# Altium PCB MAIN_BOARD.PcbDoc (part 3 of 4) (continued)
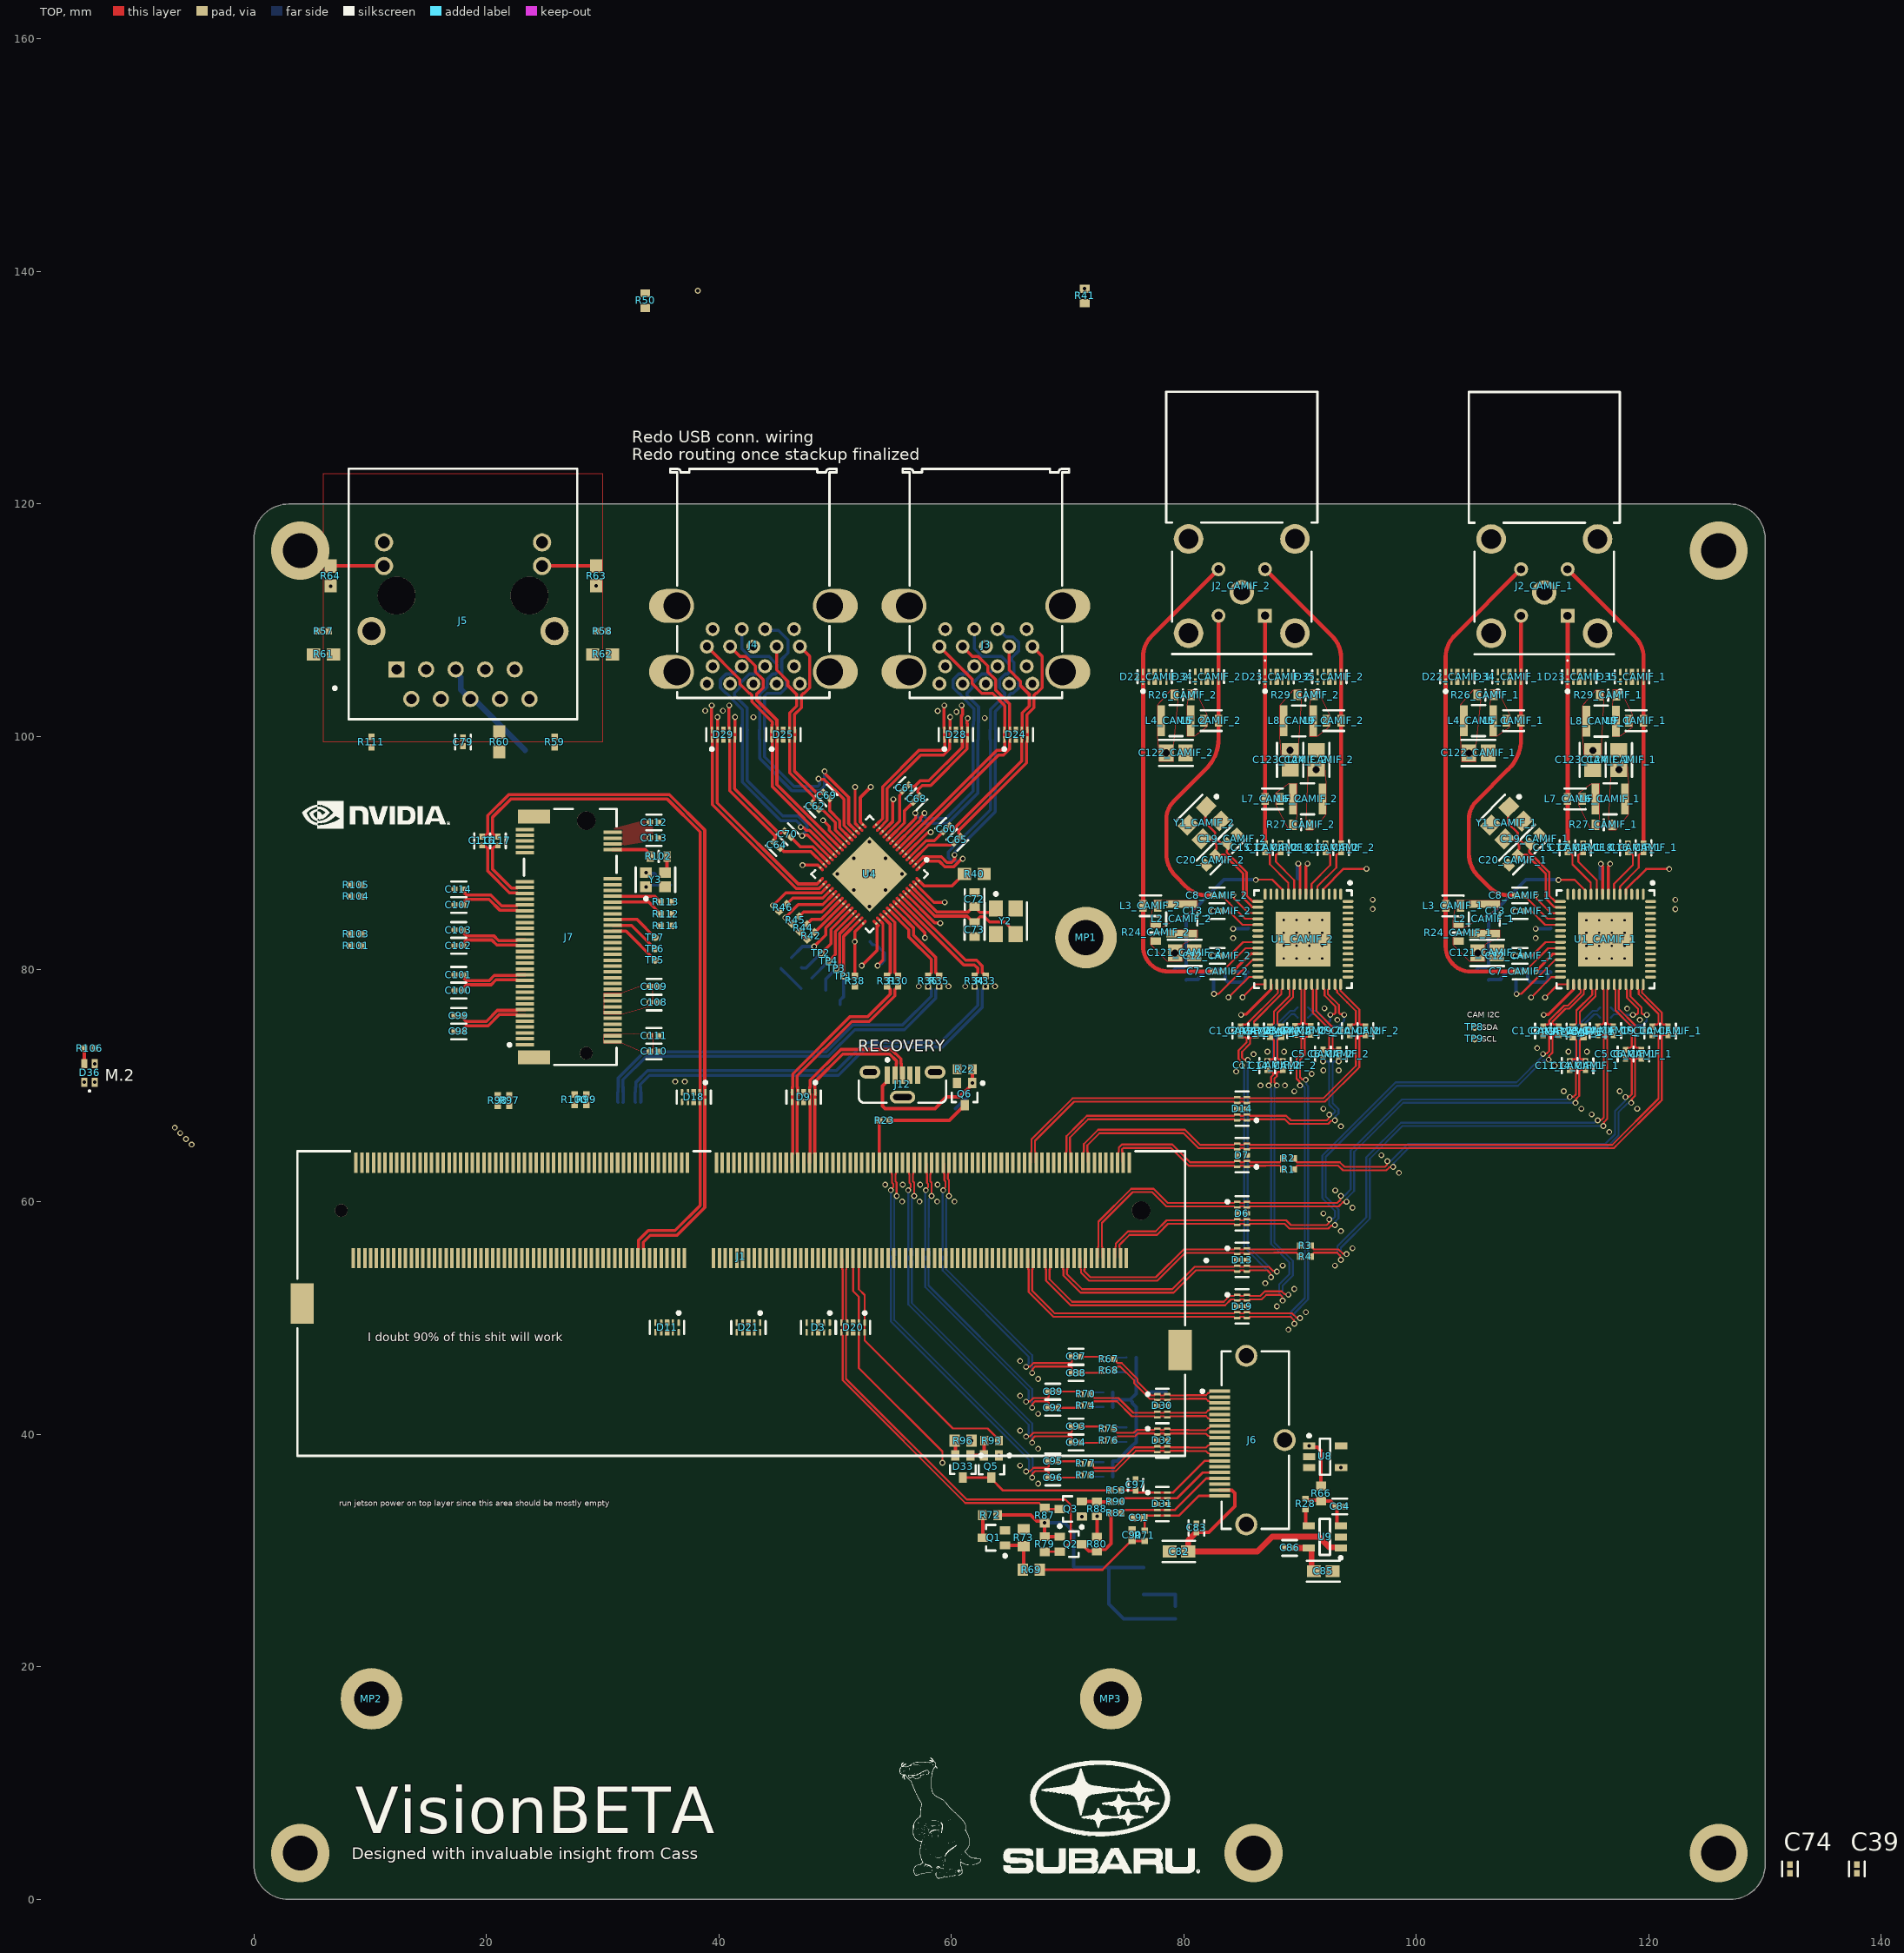
[diagram p0: TOP view]
## Nets (pads, with @x,y where several pads share a name; then routed paths per layer and width w, separated by ;. In a path a pad name is that pad's centre, name@x,y a point inside that pad or via, vN(x,y) a via of type N, cw(c..) or ccw(c..) an arc to the next point about the centre after c; other vN are vias at no path point) (continued)
  TOP w0.168: U1_CAMIF_2.42@93.495,78.7 93.479,78.685 93.479,78.138 94.174,77.443 95.092,76.525 95.092,75.348 95.19,75.249 95.467,75.249 95.62,75.097 C10_CAMIF_2.2@95.62,75.063
DA3_CAMIF_2_P: C9_CAMIF_2.2 U1_CAMIF_2.41 | length 4.8
  TOP w0.168: U1_CAMIF_2.41@92.995,78.7 92.995,78.328 93.185,78.138 93.185,78.016 94.052,77.149 94.797,76.403 94.797,75.348 94.699,75.249 94.422,75.249 94.27,75.097 C9_CAMIF_2.2@94.27,75.063
DP1_AUX_N: D20.4 D20.7 J1.98 Q2.2 R79.1 | length 40.2
  TOP w0.168: J1.98@51.05,55.15 50.984,55.084 50.984,54.203 50.947,54.167 50.947,49.885 51.05,49.783 D20.4@51.05,49.6 51.05,49.417 50.947,49.315 50.947,49.05 51.05,48.948 D20.7@51.05,48.765 51.05,48.582 50.947,48.48 50.947,44.769 61.325,34.392 68.413,34.392 69.808,34.392 70.275,33.925 70.275,30.75 69.425,29.9 R79.1@68.025,29.9
DP1_AUX_P: D20.5 D20.6 J1.100 Q3.3 R87.1 | length 34
  TOP w0.168: J1.100@50.55,55.15 50.616,55.084 50.616,54.203 50.653,54.167 50.653,49.885 50.55,49.783 D20.5@50.55,49.6 50.55,49.417 50.653,49.315 50.653,49.05 50.55,48.948 D20.6@50.55,48.765 50.55,48.582 50.653,48.48 50.653,44.647 61.203,34.097 67.553,34.097 68.075,33.575 Q3.3@69.325,33.575
DP1_HPD: D20.2 D20.9 J1.96 Q1.3 R72.1 | length 22.7
  TOP w0.168: J1.96@51.55,55.15 51.55,52.321 52.05,51.821 D20.2@52.05,49.6 D20.9@52.05,48.765 52.05,45.7 59.23,38.52 v1(59.23,37.555) ; v1(62.675,33.05) R72.1@62.725,33
  TOP w0.3: Q1.3@62.725,31.1 R72.1@62.725,33
DP1_TXD0_N: C88.1 D8.1 D8.10 J1.63 | length 25.8
  TOP w0.168: v1(59.8,60.5) 59.8,61.859 59.697,61.961 59.697,62.367 59.734,62.403 59.734,63.284 J1.63@59.8,63.35 ; v1(66.954,45.279) 66.983,45.308 66.983,45.623 67.192,45.831 70.269,45.831 70.367,45.733 C88.1@70.367,45.279
  BOTTOM w0.168: v1(59.8,60.5) 59.8,60.484 59.551,60.236 59.551,57.807 59.547,57.803 59.547,55.856 59.65,55.754 D8.10@59.65,55.571 59.65,55.389 59.547,55.286 59.547,55.021 59.65,54.919 D8.1@59.65,54.736 59.65,54.554 59.547,54.451 59.547,54.202 66.954,46.796 v1(66.954,45.279)
DP1_TXD0_P: C87.1 D8.2 D8.9 J1.65 | length 25.6
  TOP w0.168: v1(59.3,61) 59.3,61.059 59.505,61.264 59.505,61.737 59.403,61.839 59.403,62.367 59.366,62.403 59.366,63.284 J1.65@59.3,63.35 ; v1(66.431,45.801) 66.46,45.831 66.775,45.831 67.07,46.126 70.269,46.126 70.367,46.224 C87.1@70.367,46.679
  BOTTOM w0.168: v1(59.3,61) 59.259,60.959 59.259,60.511 59.257,60.509 59.257,57.929 59.253,57.925 59.253,55.856 59.15,55.754 D8.9@59.15,55.571 59.15,55.389 59.253,55.286 59.253,55.021 59.15,54.919 D8.2@59.15,54.736 59.15,54.554 59.253,54.451 59.253,54.08 66.659,46.674 66.659,46.066 66.431,45.838 v1(66.431,45.801)
DP1_TXD1_N: C92.1 D8.4 D8.7 J1.69 | length 27.4
  TOP w0.168: v1(58.3,60.5) v1(58.3,60.5) 58.301,61.65 58.197,61.754 58.197,62.367 58.234,62.403 58.234,63.284 J1.69@58.3,63.35 ; v1(66.954,42.279) 66.983,42.308 66.983,42.623 67.192,42.831 68.269,42.831 68.367,42.733 C92.1@68.367,42.279
  BOTTOM w0.168: v1(58.3,60.5) 58.3,60.484 58.051,60.236 58.051,57.807 58.047,57.803 58.047,55.856 58.15,55.754 D8.7@58.15,55.571 58.15,55.389 58.047,55.286 58.047,55.021 58.15,54.919 D8.4@58.15,54.736 58.15,54.554 58.047,54.451 58.047,52.794 66.954,43.888 v1(66.954,42.279)
DP1_TXD1_P: C89.1 D8.5 D8.6 J1.71 | length 27.3
  TOP w0.168: v1(57.8,61) 57.8,61.058 58.007,61.264 58.007,61.528 57.903,61.632 57.903,62.367 57.866,62.403 57.866,63.284 J1.71@57.8,63.35 ; v1(66.431,42.801) 66.46,42.831 66.775,42.831 67.07,43.126 68.269,43.126 68.367,43.224 C89.1@68.367,43.679
  BOTTOM w0.168: v1(57.8,61) 57.759,60.959 57.759,60.511 57.757,60.509 57.757,57.929 57.753,57.925 57.753,55.856 57.65,55.754 D8.6@57.65,55.571 57.65,55.389 57.753,55.286 57.753,55.021 57.65,54.919 D8.5@57.65,54.736 57.65,54.554 57.753,54.451 57.753,52.672 66.659,43.766 66.659,43.066 66.431,42.838 v1(66.431,42.801)
DP1_TXD2_N: C94.1 D15.1 D15.10 J1.75 | length 33
  TOP w0.168: v1(56.8,60.5) 56.801,60.501 56.801,61.65 56.697,61.754 56.697,62.367 56.734,62.403 56.734,63.284 J1.75@56.8,63.35 ; v1(66.954,39.279) 66.983,39.308 66.983,39.623 67.192,39.831 70.269,39.831 70.367,39.733 C94.1@70.367,39.279
  BOTTOM w0.168: v1(56.8,60.5) 56.8,60.442 56.593,60.236 56.593,60.097 56.597,60.093 56.597,55.856 56.7,55.754 D15.10@56.7,55.571 56.7,55.389 56.597,55.286 56.597,55.021 56.7,54.919 D15.1@56.7,54.736 56.7,54.554 56.597,54.451 56.597,51.294 66.954,40.938 v1(66.954,39.279)
DP1_TXD2_P: C93.1 D15.2 D15.9 J1.77 | length 32.8
  TOP w0.168: v1(56.3,61) 56.3,61.058 56.507,61.264 56.507,61.528 56.403,61.632 56.403,62.367 56.366,62.403 56.366,63.284 J1.77@56.3,63.35 ; v1(66.431,39.801) 66.46,39.831 66.775,39.831 67.07,40.126 70.269,40.126 70.367,40.224 C93.1@70.367,40.679
  BOTTOM w0.168: v1(56.3,61) 56.299,60.999 56.299,59.975 56.303,59.971 56.303,55.856 56.2,55.754 D15.9@56.2,55.571 56.2,55.389 56.303,55.286 56.303,55.021 56.2,54.919 D15.2@56.2,54.736 56.2,54.554 56.303,54.451 56.303,51.172 66.659,40.816 66.659,40.066 66.431,39.838 v1(66.431,39.801)
DP1_TXD3_N: C96.1 D15.4 D15.7 J1.81 | length 34.7
  TOP w0.168: v1(55.3,60.5) v1(55.3,60.5) 55.301,61.65 55.197,61.754 55.197,62.367 55.234,62.403 55.234,63.284 J1.81@55.3,63.35 ; v1(66.954,36.279) 66.983,36.308 66.983,36.623 67.192,36.831 68.269,36.831 68.367,36.733 C96.1@68.367,36.279
  BOTTOM w0.168: v1(55.3,60.5) 55.3,60.441 55.095,60.236 55.095,57.932 55.097,57.93 55.097,55.856 55.2,55.754 D15.7@55.2,55.571 55.2,55.389 55.097,55.286 55.097,55.021 55.2,54.919 D15.4@55.2,54.736 55.2,54.554 55.097,54.451 55.097,49.819 66.983,37.933 66.983,36.308 v1(66.954,36.279)
DP1_TXD3_P: C95.1 D15.5 D15.6 J1.83 | length 34.5
  TOP w0.168: v1(54.8,61) 54.8,61.058 55.007,61.264 55.007,61.528 54.903,61.632 54.903,62.367 54.866,62.403 54.866,63.284 J1.83@54.8,63.35 ; v1(66.431,36.801) 66.46,36.831 66.775,36.831 67.07,37.126 68.269,37.126 68.367,37.224 C95.1@68.367,37.679
  BOTTOM w0.168: v1(54.8,61) 54.8,57.81 54.803,57.808 54.803,55.856 54.7,55.754 D15.6@54.7,55.571 54.7,55.389 54.803,55.286 54.803,55.021 54.7,54.919 D15.5@54.7,54.736 54.7,54.554 54.803,54.451 54.803,49.697 66.689,37.811 66.689,37.066 66.431,36.808 v1(66.431,36.801)
DP_HDMI_CEC: D20.1 D20.10 J1.94 R93.1 | length 22.4
  TOP w0.168: J1.94@52.05,55.15 52.05,52.475 52.55,51.975 D20.1@52.55,49.6 D20.10@52.55,48.765 52.55,48.075 60.125,40.5 63.124,40.5 64.096,39.529 R93.1@64.096,39.454
ETH_GND: C79.1 J5.11 J5.12 R57.2 R58.2 R59.2 R60.2 R61.2 R62.2 R111.2
GBE_LED_ACT: J1.194 J5.L4
GBE_LED_LINK: J1.188 J5.L2
GBE_MDI0_N: D5.1 D5.10 J1.184 J5.2
GBE_MDI0_P: D5.2 D5.9 J1.186 J5.1
GBE_MDI1_N: D5.4 D5.7 J1.190 J5.4
GBE_MDI1_P: D5.5 D5.6 J1.192 J5.3
GBE_MDI2_N: D12.1 D12.10 J1.196 J5.8
GBE_MDI2_P: D12.2 D12.9 J1.198 J5.7
GBE_MDI3_N: D12.4 D12.7 J1.202 J5.10
GBE_MDI3_P: D12.5 D12.6 J1.204 J5.9
GND: C19_CAMIF_1.2 C19_CAMIF_2.2 C20_CAMIF_1.2 C20_CAMIF_2.2 C21_CAMIF_1.2 C21_CAMIF_2.2 C22_CAMIF_1.1 C22_CAMIF_2.1 C23_CAMIF_1.2 C23_CAMIF_2.2 C24_CAMIF_1.1 C24_CAMIF_2.1 C25_CAMIF_1.2 C25_CAMIF_2.2 C26_CAMIF_1.1 C26_CAMIF_2.1 C27_CAMIF_1.2 C27_CAMIF_2.2 C28_CAMIF_1.1 C28_CAMIF_2.1 C29_CAMIF_1.2 C29_CAMIF_2.2 C30_CAMIF_1.1 C30_CAMIF_2.1 C31_CAMIF_1.2 C31_CAMIF_2.2 C32_CAMIF_1.1 C32_CAMIF_2.1 C33_CAMIF_1.2 C33_CAMIF_2.2 C34_CAMIF_1.1 C34_CAMIF_2.1 C35_CAMIF_1.2 C35_CAMIF_2.2 C36_CAMIF_1.1 C36_CAMIF_2.1 C37.2 C38.1 C40_CAMIF_1.2 C40_CAMIF_2.2 C41_CAMIF_1.2 C41_CAMIF_2.2 C42_CAMIF_1.1 C42_CAMIF_2.1 C43_CAMIF_1.1 C43_CAMIF_2.1 C44.1 C45.1 C46.1 C47.1 C48.1 C49.2 C50.1 C51.1 C52.1 C53.1 C54.1 C55.1 C56.1 C57.1 C58.1 C59.2 C63.2 C66.1 C67.1 C71.2 C72.2 C73.2 C77.2 C78.1 C79.2 C80.1 C81.1 C82.2 C83.1 C84.1 C85.2 C86.1 C90.1 C91.1 C97.2 C104.2 C105.2 C106.2 C108.1 C109.1 C110.1 C111.1 C112.1 C113.1 C115.1 C118.2 C119.1 C121_CAMIF_1.2 C121_CAMIF_2.2 C122_CAMIF_1.2 C122_CAMIF_2.2 C123_CAMIF_1.2 C123_CAMIF_2.2 C124_CAMIF_1.2 C124_CAMIF_2.2 C125.1 D1.3 D1.8 D2.3 D2.8 D3.3 D3.8 D4.3 D4.8 D5.3 D5.8 D6.3 D6.8 D7.3 D7.8 D8.3 D8.8 D9.3 D9.8 D10.3 D10.8 D11.3 D11.8 D12.3 D12.8 D13.3 D13.8 D14.3 D14.8 D15.3 D15.8 D16.3 D16.8 D17.3 D17.8 D18.3 D18.8 D19.3 D19.8 D20.3 D20.8 D21.3 D21.8 D22_CAMIF_1.3 D22_CAMIF_1.8 D22_CAMIF_2.3 D22_CAMIF_2.8 D23_CAMIF_1.3 D23_CAMIF_1.8 D23_CAMIF_2.3 D23_CAMIF_2.8 D24.3 D24.8 D25.3 D25.8 D26.3 D26.8 D27.3 D27.8 D28.3 D28.8 D29.3 D29.8 D30.3 D30.8 D31.3 D31.8 D32.3 D32.8 D34_CAMIF_1.3 D34_CAMIF_1.8 D34_CAMIF_2.3 D34_CAMIF_2.8 D35_CAMIF_1.3 D35_CAMIF_1.8 D35_CAMIF_2.3 D35_CAMIF_2.8 J1.1 J1.2 J1.7 J1.8 J1.13 J1.14 J1.19 J1.20 J1.25 J1.26 J1.31 J1.32 J1.37 J1.38 J1.43 J1.44 J1.49 J1.50 J1.55 J1.56 J1.61 J1.62 J1.67 J1.68 J1.73 J1.74 J1.79 J1.80 J1.85 J1.86 J1.102 J1.107 J1.113 J1.119 J1.125 J1.129 J1.132 J1.135 J1.138 J1.141 J1.144 J1.146 J1.147 J1.152 J1.153 J1.158 J1.159 J1.164 J1.165 J1.170 J1.171 J1.176 J1.177 J1.200 J1.201 J1.231 J1.241 J1.242 J1.243 J1.244 J1.245 J1.246 J1.247 J1.248 J1.249 J1.250 J1.261 J1.262 J2_CAMIF_1.MH1 J2_CAMIF_1.MH2 J2_CAMIF_1.MH3 J2_CAMIF_1.MH4 J2_CAMIF_1.MH5 J2_CAMIF_2.MH1 J2_CAMIF_2.MH2 J2_CAMIF_2.MH3 J2_CAMIF_2.MH4 J2_CAMIF_2.MH5 J3.A4 J3.A7 J3.B4 J3.B7 J3.Shell J4.A4 J4.A7 J4.B4 J4.B7 J4.Shell J6.2 J6.5 J6.8 J6.11 J6.17 J6.20 J6.21 J6.22 J7.1 J7.3 J7.9 J7.15 J7.21 J7.27 J7.33 J7.39 J7.45 J7.51 J7.57 J7.71 J7.73 J7.75 J7.76 J7.77 J12.5 J12.6 J12.7 J12.8 MP1.1 MP2.1 MP3.1 Q1.2 Q4.2 Q6.2 R10_CAMIF_1.1 R10_CAMIF_2.1 R11_CAMIF_1.1 R11_CAMIF_2.1 R15_CAMIF_1.1 R15_CAMIF_2.1 R16_CAMIF_1.1 R16_CAMIF_2.1 R18_CAMIF_1.1 R18_CAMIF_2.1 R19_CAMIF_1.1 R19_CAMIF_2.1 R20_CAMIF_1.1 R20_CAMIF_2.1 R22.1 R25.1 R39.1 R40.2 R47.1 R49.2 R57.1 R58.1 R59.1 R60.1 R61.1 R62.1 R65.1 R73.1 R95.1 R107.1 R109.1 R111.1 U1_CAMIF_1.57 U1_CAMIF_2.57 U2_CAMIF_1.1 U2_CAMIF_2.1 U3_CAMIF_1.1 U3_CAMIF_2.1 U4.57 U5.2 U6.2 U7.1 U8.2 U9.2 U11.1 Y1_CAMIF_1.2 Y1_CAMIF_1.4 Y1_CAMIF_2.2 Y1_CAMIF_2.4 Y2.2 Y2.4 Y3.2
  other v1: 67.473,35.759 65.919,37.313 67.473,38.759 65.919,40.313 67.473,41.759 65.919,43.313 67.473,44.759 65.919,46.313 93,54.5 94.5,56 93.508,57.483 92,58.991 94.508,59.492 55.773,60.027 57.273,60.027 58.773,60.027 60.273,60.027 93.024,60.97 54.316,61.475 55.816,61.475 57.316,61.475 58.816,61.475 98.508,62.492 97,64 116.594,66 93.508,66.492 115.086,67.508 92,67.998 114.194,68 118.994,68 89.494,69.494 112.686,69.508 117.486,69.508 86.593,70 88.697,70 90.994,70.994 84.494,71.198 92,71.3 93.325,71.3 111.894,71.71 85.994,72.698 87.195,72.9 88.62,72.9 113.075,72.9 114.675,72.9 110.386,73.218 93.195,75.65 119.219,75.642 92.099,76.629 118.123,76.622 57.199,78.527 59.753,78.527 61.199,78.527 63.759,78.527 52.975,85.377 51.6,86.802 54.35,86.802 50.2,88.177 52.975,88.177 55.75,88.177 51.6,89.552 54.35,89.552 52.975,90.952 62.875,101.6 42.975,101.675 60.45,102.125 58.825,102.2 38.825,102.225 40.35,102.225
  other v2: 88.595,80.925 89.695,80.925 90.795,80.925 91.895,80.925 114.619,80.917 115.719,80.917 116.819,80.917 117.919,80.917 88.595,82.025 89.695,82.025 90.795,82.025 91.895,82.025 114.619,82.017 115.719,82.017 116.819,82.017 117.919,82.017 114.619,83.117 115.719,83.117 116.819,83.117 117.919,83.117 88.595,83.125 89.695,83.125 90.795,83.125 91.895,83.125 88.595,84.225 89.695,84.225 90.795,84.225 91.895,84.225 114.619,84.217 115.719,84.217 116.819,84.217 117.919,84.217
  other v4: 4,4 86,4 126,4 4,116 126,116
GPIO08_FAN_TACH: J1.208
GPIO09_AUD_MCLK: J1.211
GPIO14_FAN_PWM: J1.230
HDMI_1V8: C37.1 Q2.1 R54.2 R72.2 R79.2 R87.2 U11.2 U11.4 | length 28
  TOP w0.3: R72.2@63.975,33.05 66.825,33.05 67.344,32.531 67.869,32.531 v1(68.025,32.375) R79.2@68.025,31.2 Q2.1@69.325,31.2
  BOTTOM w0.3: v1(68.025,32.375) 69.75,32.375 70.525,31.6 70.525,28.625 U11.4@70.625,28.525 73.55,28.525 ; U11.2@76.525,28.525 73.55,28.525 ; R54.2@79.275,24.125 74.825,24.125 73.55,25.4 73.55,28.525
HDMI_CEC: C97.1 D31.1 D31.10 J6.13 R53.2 | length 9.7
  TOP w0.2: R53.2@74.625,35.175 C97.1@75.85,35.175 75.85,35.15 76,35 D31.1@77.728,35 D31.10@78.563,35 79.075,35 81.785,37.71 J6.13@83.07,37.71
HDMI_CLK_N: D32.5 D32.6 J6.12 R78.2 | length 12.3
  TOP w0.168: R78.2@72,36.479 72.191,36.67 72.191,36.733 72.289,36.831 74.138,36.831 75.884,38.578 77.442,38.578 77.545,38.475 D32.5@77.728,38.475 77.91,38.475 78.013,38.578 78.277,38.578 78.38,38.475 D32.6@78.563,38.475 78.745,38.475 78.848,38.578 80.292,38.578 80.307,38.563 81.905,38.563 82.093,38.375 82.156,38.375 82.32,38.21 J6.12@83.07,38.21
HDMI_CLK_P: D32.4 D32.7 J6.10 R77.2 | length 12.3
  TOP w0.168: R77.2@72,37.479 72.191,37.287 72.191,37.224 72.289,37.126 74.016,37.126 75.762,38.872 77.442,38.872 77.545,38.975 D32.4@77.728,38.975 77.91,38.975 78.013,38.872 78.277,38.872 78.38,38.975 D32.7@78.563,38.975 78.745,38.975 78.848,38.872 80.414,38.872 80.429,38.857 81.905,38.857 82.093,39.045 82.156,39.045 82.32,39.21 J6.10@83.07,39.21
HDMI_D0_N: D32.2 D32.9 J6.9 R76.2 | length 9.7
  TOP w0.168: R76.2@74,39.479 74.191,39.67 74.191,39.733 74.289,39.831 75.811,39.831 76.057,40.078 77.442,40.078 77.545,39.975 D32.2@77.728,39.975 77.91,39.975 78.013,40.078 78.277,40.078 78.38,39.975 D32.9@78.563,39.975 78.745,39.975 78.848,40.078 80.292,40.078 80.307,40.063 81.905,40.063 82.093,39.875 82.156,39.875 82.32,39.71 J6.9@83.07,39.71
HDMI_D0_P: D32.1 D32.10 J6.7 R75.2 | length 9.7
  TOP w0.168: R75.2@74,40.479 74.191,40.287 74.191,40.224 74.289,40.126 75.689,40.126 75.935,40.372 77.442,40.372 77.545,40.475 D32.1@77.728,40.475 77.91,40.475 78.013,40.372 78.277,40.372 78.38,40.475 D32.10@78.563,40.475 78.745,40.475 78.848,40.372 80.414,40.372 80.429,40.357 81.905,40.357 82.093,40.545 82.156,40.545 82.32,40.71 J6.7@83.07,40.71
HDMI_D1_N: D30.5 D30.6 J6.6 R74.2 | length 12.1
  TOP w0.168: R74.2@72,42.479 72.191,42.67 72.191,42.733 72.289,42.831 74.25,42.831 75.528,41.553 77.442,41.553 77.545,41.45 D30.5@77.728,41.45 77.91,41.45 78.013,41.553 78.277,41.553 78.38,41.45 D30.6@78.563,41.45 78.745,41.45 78.848,41.553 80.243,41.553 80.253,41.563 81.905,41.563 82.093,41.375 82.156,41.375 82.32,41.21 J6.6@83.07,41.21
HDMI_D1_P: D30.4 D30.7 J6.4 R70.2 | length 12.1
  TOP w0.168: R70.2@72,43.479 72.191,43.287 72.191,43.224 72.289,43.126 74.372,43.126 75.65,41.847 77.442,41.847 77.545,41.95 D30.4@77.728,41.95 77.91,41.95 78.013,41.847 78.277,41.847 78.38,41.95 D30.7@78.563,41.95 78.745,41.95 78.848,41.847 80.121,41.847 80.131,41.857 81.905,41.857 82.093,42.045 82.156,42.045 82.32,42.21 J6.4@83.07,42.21
HDMI_D2_N: D30.2 D30.9 J6.3 R68.2 | length 10.9
  TOP w0.168: R68.2@74,45.479 74.191,45.67 74.191,45.733 74.289,45.831 74.526,45.831 75.731,44.627 75.731,44.394 77.072,43.053 77.442,43.053 77.545,42.95 D30.2@77.728,42.95 77.91,42.95 78.013,43.053 78.277,43.053 78.38,42.95 D30.9@78.563,42.95 78.745,42.95 78.848,43.053 80.416,43.053 80.426,43.063 81.905,43.063 82.093,42.875 82.156,42.875 82.32,42.71 J6.3@83.07,42.71
HDMI_D2_P: D30.1 D30.10 J6.1 R67.2 | length 10.9
  TOP w0.168: R67.2@74,46.479 74.191,46.287 74.191,46.224 74.289,46.126 74.648,46.126 76.025,44.749 76.025,44.516 77.194,43.347 77.442,43.347 77.545,43.45 D30.1@77.728,43.45 77.91,43.45 78.013,43.347 78.277,43.347 78.38,43.45 D30.10@78.563,43.45 78.745,43.45 78.848,43.347 80.294,43.347 80.304,43.357 81.905,43.357 82.093,43.545 82.156,43.545 82.32,43.71 J6.1@83.07,43.71
HDMI_HP_DET: C91.2 D31.5 D31.6 J6.19 R71.2 | length 8.4
  TOP w0.2: R71.2@76.625,31.725 76.625,32.755 C91.2@76.555,32.825 76.73,33 D31.5@77.728,33 D31.6@78.563,33 79.575,33 81.285,34.71 J6.19@83.07,34.71
HDMI_nSLEEP: R65.2 U8.4
  other v1: 93.525,37.125
HDMI_SCL: D31.2 D31.9 J6.15 R90.2 | length 9.5
  TOP w0.2: R90.2@74.625,34.2 74.925,34.5 D31.2@77.728,34.5 D31.9@78.563,34.5 79.4,34.5 81.61,36.71 J6.15@83.07,36.71
HDMI_SDA: D31.4 D31.7 J6.16 R82.2 | length 9.7
  TOP w0.2: R82.2@74.625,33.225 74.9,33.5 D31.4@77.728,33.5 D31.7@78.563,33.5 79.225,33.5 81.935,36.21 J6.16@83.07,36.21
I2C0_SCL: D2.4 D2.7 J1.185
I2C0_SDA: D2.5 D2.6 J1.187
I2S0_DIN: D4.2 D4.9 J1.195
I2S0_DOUT: D4.1 D4.10 J1.193
I2S0_FS: D4.4 D4.7 J1.197
I2S0_SCLK: D4.5 D4.6 J1.199
NetC12_CAMIF_1_2: C12_CAMIF_1.2 R10_CAMIF_1.2
  other v1: 108.536,81.142
NetC12_CAMIF_2_2: C12_CAMIF_2.2 R10_CAMIF_2.2
  other v1: 82.512,81.15
NetC13_CAMIF_1_2: C13_CAMIF_1.2 R11_CAMIF_1.2
  other v1: 108.536,84.992
NetC13_CAMIF_2_2: C13_CAMIF_2.2 R11_CAMIF_2.2
  other v1: 82.512,85
NetC17_CAMIF_1_2: C17_CAMIF_1.2 R18_CAMIF_1.2
  other v1: 114.351,90.806
NetC17_CAMIF_2_2: C17_CAMIF_2.2 R18_CAMIF_2.2
  other v1: 88.326,90.813
NetC18_CAMIF_1_2: C18_CAMIF_1.2 R19_CAMIF_1.2
  other v1: 118.201,90.806
NetC18_CAMIF_2_2: C18_CAMIF_2.2 R19_CAMIF_2.2
  other v1: 92.177,90.813
NetC21_CAMIF_1_1: C21_CAMIF_1.1 C22_CAMIF_1.2 U1_CAMIF_1.8 | length 4
  TOP w0.254: v1(115.869,89.067) 115.869,89.001 116.019,88.851 U1_CAMIF_1.8@116.019,86.442
  BOTTOM w0.3: C21_CAMIF_1.1@115.856,87.767 115.808,87.815 115.808,89.007 v1(115.869,89.067)
NetC21_CAMIF_2_1: C21_CAMIF_2.1 C22_CAMIF_2.2 U1_CAMIF_2.8 | length 4
  TOP w0.254: v1(89.845,89.075) 89.845,89.008 89.995,88.858 U1_CAMIF_2.8@89.995,86.45
  BOTTOM w0.3: C21_CAMIF_2.1@89.832,87.775 89.784,87.823 89.784,89.015 v1(89.845,89.075)
NetC23_CAMIF_1_1: C23_CAMIF_1.1 C24_CAMIF_1.2 U1_CAMIF_1.20 | length 1.3
  BOTTOM w0.3: v1(110.269,83.467) 111.531,83.467 C23_CAMIF_1.1@111.569,83.505
NetC23_CAMIF_2_1: C23_CAMIF_2.1 C24_CAMIF_2.2 U1_CAMIF_2.20 | length 1.3
  BOTTOM w0.3: v1(84.245,83.475) 85.507,83.475 C23_CAMIF_2.1@85.545,83.512
NetC38_2: C38.2 R55.2 U11.3 | length 3.8
  BOTTOM w0.3: U11.3@76.525,26.225 C38.2@79.275,26.225 R55.2@79.275,25.225
NetC39_2: C39.2 R35.2
NetC60_1: C60.1 U4.4 | length 3.8
  TOP w0.266: U4.4@56.377,89.599 57.83,91.052 58.537,91.052 C60.1@59.3,91.815
NetC61_1: C61.1 U4.11 | length 4.3
  TOP w0.266: U4.11@54.389,91.571 55.55,92.732 55.55,94.943 55.788,95.181 C61.1@55.788,95.327
NetC62_1: C62.1 U4.20 | length 3.9
  TOP w0.266: C62.1@48.578,93.737 48.602,93.713 48.939,93.713 50.032,92.619 50.032,91.968 U4.20@50.987,91.014
NetC64_1: C64.1 U4.27 | length 4.3
  TOP w0.266: C64.1@45.237,90.402 45.317,90.402 45.617,90.102 47.939,90.102 U4.27@49.015,89.025
NetC65_1: C65.1 U4.3 | length 4.2
  TOP w0.266: U4.3@56.66,89.316 58.021,90.677 59.916,90.677 60.104,90.865 C65.1@60.25,90.865
NetC68_1: C68.1 U4.10 | length 3.9
  TOP w0.266: U4.10@54.672,91.288 55.975,92.591 55.975,93.614 C68.1@56.738,94.377
NetC69_1: C69.1 U4.19 | length 4.1
  TOP w0.266: C69.1@49.528,94.687 49.528,93.649 50.4,92.777 50.4,92.166 U4.19@51.27,91.296
NetC70_1: C70.1 U4.26 | length 4
  TOP w0.266: C70.1@46.187,91.352 47.012,90.527 48.079,90.527 U4.26@49.298,89.308
NetC74_2: C74.2 R36.2
NetC80_2: C80.2 J5.5 J5.6 | length 9.6
  BOTTOM w0.5: J5.5@17.37,105.78 J5.5@17.365,105.775 17.365,105.534 17.8,105.099 17.8,104.07 18.805,103.065 19.108,103.065 23.35,98.822 C80.2@23.35,98.817 C80.2@23.345,98.822
NetC84_2: C84.2 R28.1 R66.1 U9.3 | length 4.9
  TOP w0.3: R28.1@90.475,34.45 90.575,34.35 91.695,34.35 R66.1@91.795,34.25 92.608,34.25 92.939,33.92 92.939,33.886 93.025,33.8 93.092,33.8 93.178,33.714 93.178,32.275 93.328,32.125 U9.3@93.5,32.125
NetC90_2: C90.2 R69.2 R71.1 | length 10.1
  TOP w0.2: R69.2@67.6,28.35 73.005,28.35 75.32,30.665 75.34,30.665 75.55,30.875 C90.2@75.55,30.895 75.62,30.825 R71.1@76.625,30.825
NetD33_1: D33.1 Q5.2 R93.2 | length 2.4
  TOP w0.3: D33.1@61.646,38.179 Q5.2@62.796,38.179 62.821,38.204 62.821,39.429 R93.2@62.846,39.454
NetD33_2: D33.2 R96.1 | length 1.3
  TOP w0.3: R96.1@60.296,39.454 60.346,39.404 D33.2@60.346,38.179
NetD33_3: D33.3 Q5.3 R53.1 | length 13.2
  TOP w0.2: D33.3@60.996,36.279 Q5.3@63.446,36.279 63.446,36.179 64.449,35.175 R53.1@73.725,35.175
NetD36_1: D36.1 R107.2
  other v1: -13.675,70.275
NetD36_3: D36.3 R106.2 | length 1.3
  TOP w0.266: D36.3@-14.575,71.875 R106.2@-14.575,73.2
NetD36_4: D36.4 R25.2
  other v1: -14.575,70.275
NetFB1_1: FB1.1 FB2.1 FB3.1 FB4.1 FB5.1 FB6.1 FB7.1 FB8.1 Q4.3 | length 14.4
  BOTTOM w0.3: FB8.1@73.888,36.35 73.888,37.65 73.938,37.7 74.243,37.7 75.539,38.996 75.539,39.002 75.788,39.25 75.838,39.25 75.888,39.3 FB5.1@75.888,40.6 75.888,42.35 75.562,42.675 75.562,42.775 Q4.3@75.362,42.975 ; FB4.1@73.888,42.35 73.888,42.975 ; FB3.1@73.888,43.6 73.888,42.975 ; FB1.1@75.888,46.6 FB2.1@75.888,45.35 75.888,43.5 Q4.3@75.362,42.975 ; 73.888,42.975 Q4.3@75.262,42.975 Q4.3@75.362,42.975
NetFB1_2: FB1.2 R81.2 | length 1
  BOTTOM w0.168: R81.2@74.125,46.6 75.05,46.6 FB1.2@75.075,46.625
NetFB2_2: FB2.2 R83.2 | length 0.9
  BOTTOM w0.168: R83.2@74.125,45.35 74.972,45.35 FB2.2@75.043,45.279
NetFB3_2: FB3.2 R84.2 | length 1
  BOTTOM w0.168: R84.2@72.125,43.6 FB3.2@73.088,43.6
NetFB4_2: FB4.2 R85.2 | length 1
  BOTTOM w0.168: R85.2@72.125,42.35 FB4.2@73.088,42.35
NetFB5_2: FB5.2 R86.2 | length 1
  BOTTOM w0.168: R86.2@74.125,40.6 FB5.2@75.088,40.6
NetFB6_2: FB6.2 R89.2 | length 1
  BOTTOM w0.168: R89.2@74.125,39.35 FB6.2@75.088,39.35
NetFB7_2: FB7.2 R91.2 | length 1
  BOTTOM w0.168: R91.2@72.125,37.6 FB7.2@73.088,37.6
NetFB8_2: FB8.2 R92.2 | length 1
  BOTTOM w0.168: R92.2@72.125,36.35 FB8.2@73.088,36.35
NetJ5_L1: J5.L1 R63.1 | length 4.6
  TOP w0.3: J5.L1@24.8,114.675 R63.1@29.45,114.675
NetJ5_L3: J5.L3 R64.1 | length 4.9
  TOP w0.3: R64.1@6.6,114.675 J5.L3@11.2,114.675 J5.L3@11.55,114.675
NetJ7_68: J7.68 R102.1 | length 3.5
  TOP w0.3: J7.68@30.875,90.27 33.655,90.27 34.1,89.825 R102.1@34.1,89.7
NetL2_CAMIF_1_2: L2_CAMIF_1.2 L3_CAMIF_1.1 R24_CAMIF_1.2
NetL2_CAMIF_2_2: L2_CAMIF_2.2 L3_CAMIF_2.1 R24_CAMIF_2.2
NetL4_CAMIF_1_2: L4_CAMIF_1.2 L5_CAMIF_1.1 R26_CAMIF_1.2
NetL4_CAMIF_2_2: L4_CAMIF_2.2 L5_CAMIF_2.1 R26_CAMIF_2.2
NetL6_CAMIF_1_2: L6_CAMIF_1.2 L7_CAMIF_1.1 R27_CAMIF_1.2
NetL6_CAMIF_2_2: L6_CAMIF_2.2 L7_CAMIF_2.1 R27_CAMIF_2.2
NetL8_CAMIF_1_2: L8_CAMIF_1.2 L9_CAMIF_1.1 R29_CAMIF_1.2
NetL8_CAMIF_2_2: L8_CAMIF_2.2 L9_CAMIF_2.1 R29_CAMIF_2.2
NetQ1_1: Q1.1 R69.1 R73.2 | length 3.7
  TOP w0.3: Q1.1@64.625,30.45 66.15,30.45 R73.2@66.225,30.375 66.225,28.425 R69.1@66.15,28.35
NetQ2_3: Q2.3 R80.1 R82.1 | length 5.7
  TOP w0.3: Q2.3@71.225,30.55 71.325,30.55 71.525,30.35 71.525,30.25 71.826,29.949 72.501,29.949 R80.1@72.525,29.925 72.725,30.125 73.25,30.125 73.725,30.6 R82.1@73.725,33.225 R82.1@73.713,33.238
NetQ3_2: Q3.2 R88.1 R90.1 | length 2.5
  TOP w0.3: Q3.2@71.225,34.225 71.237,34.212 72.512,34.212 R88.1@72.525,34.2 R90.1@73.725,34.2
NetQ6_3: Q6.3 R23.1 | length 7
  TOP w0.3: R23.1@54.7,67 59.85,67 60.85,68 60.95,68 61.15,68.2 Q6.3@61.15,68.3
NetR9_CAMIF_1_1: R9_CAMIF_1.1 R14_CAMIF_1.1 U1_CAMIF_1.11 | length 15.7
  TOP w0.168: v1(112.222,87.67) 112.244,87.692 113.619,87.692 114.519,86.792 U1_CAMIF_1.11@114.519,86.442
  BOTTOM w0.3: R14_CAMIF_1.1@105.169,79.917 105.407,80.156 106.007,80.156 R9_CAMIF_1.1@106.219,80.367 106.219,84.469 109.442,87.692 112.2,87.692 v1(112.222,87.67)
NetR9_CAMIF_2_1: R9_CAMIF_2.1 R14_CAMIF_2.1 U1_CAMIF_2.11 | length 15.7
  TOP w0.168: v1(86.198,87.678) 86.22,87.7 87.595,87.7 88.495,86.8 U1_CAMIF_2.11@88.495,86.45
  BOTTOM w0.3: R14_CAMIF_2.1@79.145,79.925 79.383,80.163 79.983,80.163 R9_CAMIF_2.1@80.195,80.375 80.195,84.445 83.45,87.7 86.175,87.7 v1(86.198,87.678)
NetR12_CAMIF_1_1: R12_CAMIF_1.1 R15_CAMIF_1.2 U1_CAMIF_1.25 | length 7.5
  TOP w0.168: v1(108.619,77.867) 109.019,77.867 111.953,80.802 112.378,80.802 U1_CAMIF_1.25@112.394,80.817
  BOTTOM w0.168: R12_CAMIF_1.1@108.594,79.092 108.594,77.892 v1(108.619,77.867)
  BOTTOM w0.3: R12_CAMIF_1.1@108.569,79.092 108.569,77.842 R15_CAMIF_1.2@108.594,77.817
NetR12_CAMIF_2_1: R12_CAMIF_2.1 R15_CAMIF_2.2 U1_CAMIF_2.25 | length 7.5
  TOP w0.168: v1(82.595,77.875) 82.995,77.875 85.929,80.809 86.354,80.809 U1_CAMIF_2.25@86.37,80.825
  BOTTOM w0.168: R12_CAMIF_2.1@82.57,79.1 82.57,77.9 v1(82.595,77.875)
  BOTTOM w0.3: R12_CAMIF_2.1@82.545,79.1 82.545,77.85 R15_CAMIF_2.2@82.57,77.825
NetR13_CAMIF_1_1: R13_CAMIF_1.1 R16_CAMIF_1.2 U1_CAMIF_1.4 | length 4.9
  TOP w0.2: U1_CAMIF_1.4@118.019,86.442 118.029,86.452 118.029,86.877 119.769,88.617 v1(121.744,88.617)
NetR13_CAMIF_2_1: R13_CAMIF_2.1 R16_CAMIF_2.2 U1_CAMIF_2.4 | length 4.9
  TOP w0.2: U1_CAMIF_2.4@91.995,86.45 92.004,86.46 92.004,86.885 93.745,88.625 v1(95.72,88.625)
NetR28_2: R28.2 U9.4 | length 1.6
  TOP w0.3: R28.2@90.475,33.55 90.475,32.275 90.625,32.125 U9.4@90.75,32.125
NetR41_2: R41.2 R43.2 U5.3 U5.4
  other v1: 71.468,138.527
NetR50_2: R50.2 R52.2 U6.3 U6.4
  other v1: 38.2,138.352
NetR108_2: R108.2 R109.2 Y3.1 | length 2.2
  BOTTOM w0.266: v1(33.737,87.087) 33.801,87.087 33.963,87.25 R109.2@35.85,87.25
NetR113_2: R113.2
NetR114_2: R114.2
nFORCE_RECOVERY: J1.214
nMOD_SLEEP: J1.178
nSHUTDOWN_REQ: J1.233
nSYS_RESET: J1.239
PCIE0_CLK_N: C116.2 D18.1 D18.10 J1.160 | length 63.2
  TOP w0.266: C116.2@19.65,91.4 19.65,91.433 19.753,91.536 19.972,91.536 20.128,91.692 20.128,93.21 21.937,95.018 26.038,95.018 35.738,95.018 38.793,91.963 38.793,59.518 36.4,57.125 34.1,57.125 33.497,56.522 33.497,55.928 33.55,55.875 J1.160@33.55,55.15
PCIE0_CLK_P: C117.2 D18.2 D18.9 J1.162 | length 61.9
  TOP w0.266: C117.2@21,91.4 21,91.433 20.897,91.536 20.678,91.536 20.522,91.692 20.522,93.047 22.1,94.625 35.575,94.625 38.4,91.8 38.4,59.681 36.237,57.518 33.937,57.518 33.103,56.685 33.103,55.928 33.05,55.875 J1.162@33.05,55.15
PCIE0_nCLKREQ: J1.180
PCIE0_nRST: D2.2 D2.9 J1.181 R112.2
PCIE0_RX0_N: D10.1 D10.10 J1.131 R104.2
PCIE0_RX0_P: D10.2 D10.9 J1.133 R105.2
PCIE0_RX1_N: D10.4 D10.7 J1.137 R101.2
PCIE0_RX1_P: D10.5 D10.6 J1.139 R103.2
PCIE0_RX2_N: D17.1 D17.10 J1.149 R99.2
PCIE0_RX2_P: D17.2 D17.9 J1.151 R100.2
PCIE0_RX3_N: D17.4 D17.7 J1.155 R97.2
PCIE0_RX3_P: D17.5 D17.6 J1.157 R98.2
PCIE0_TX0_N: C107.2 D21.1 D21.10 J1.134
PCIE0_TX0_P: C114.2 D21.2 D21.9 J1.136
PCIE0_TX1_N: C102.2 D21.4 D21.7 J1.140
PCIE0_TX1_P: C103.2 D21.5 D21.6 J1.142
PCIE0_TX2_N: C100.2 D11.1 D11.10 J1.148
PCIE0_TX2_P: C101.2 D11.2 D11.9 J1.150
PCIE0_TX3_N: C98.2 D11.4 D11.7 J1.154
PCIE0_TX3_P: C99.2 D11.5 D11.6 J1.156
PCIE_32K_CLK: J1.210
PCIE_CLKREQ: J7.52 R113.1 | length 4.3
  TOP w0.266: J7.52@30.875,86.27 34.5,86.27 R113.1@35,85.77
PCIE_RST: J7.50 R112.1 | length 4.5
  TOP w0.266: J7.50@30.875,85.77 33.975,85.77 R112.1@35,84.745
PCIE_RX0_N: J7.41 R104.1
PCIE_RX0_P: J7.43 R105.1
PCIE_RX1_N: J7.29 R101.1
PCIE_RX1_P: J7.31 R103.1
PCIE_RX2_N: J7.17 R99.1
PCIE_RX2_P: J7.19 R100.1
PCIE_RX3_N: J7.5 R97.1
PCIE_RX3_P: J7.7 R98.1
PCIE_WAKE: D2.1 D2.10 J1.179
PLDWN_1: C87.2 R67.1 R81.1 | length 2.1
  TOP w0.168: C87.2@71.1,46.679 72.9,46.679 v1(73.1,46.479)
PLDWN_2: C88.2 R68.1 R83.1 | length 2.1
  TOP w0.168: C88.2@71.1,45.279 72.9,45.279 v1(73.1,45.479)
PLDWN_3: C89.2 R70.1 R84.1 | length 2.1
  TOP w0.168: C89.2@69.1,43.679 70.9,43.679 v1(71.1,43.479)
PLDWN_4: C92.2 R74.1 R85.1 | length 2.1
  TOP w0.168: C92.2@69.1,42.279 70.9,42.279 v1(71.1,42.479)
PLDWN_5: C93.2 R75.1 R86.1 | length 2.1
  TOP w0.168: C93.2@71.1,40.679 72.9,40.679 v1(73.1,40.479)
PLDWN_6: C94.2 R76.1 R89.1 | length 2.1
  TOP w0.168: C94.2@71.1,39.279 72.9,39.279 v1(73.1,39.479)
PLDWN_7: C95.2 R77.1 R91.1 | length 2.1
  TOP w0.168: C95.2@69.1,37.679 70.9,37.679 v1(71.1,37.479)
PLDWN_8: C96.2 R78.1 R92.1 | length 2.1
  TOP w0.168: C96.2@69.1,36.279 70.9,36.279 v1(71.1,36.479)
PoC_A_CAMIF_1: C7_CAMIF_1.2 D22_CAMIF_1.1 D22_CAMIF_1.10 J2_CAMIF_1.3 L3_CAMIF_1.2 | length 42.4
  TOP w0.355: 102.518,81.963 ccw(c104.689,81.963) 104.684,79.792 ccw(c104.689,81.963) 104.689,79.792 ; 102.519,81.963 L3_CAMIF_1.2@102.519,85.442 D22_CAMIF_1.1@102.519,104.725 D22_CAMIF_1.10@102.519,105.56 102.519,106.851 cw(c105.059,106.851) 103.263,108.647 J2_CAMIF_1.3@109.008,114.392 ; 104.568,79.792 C7_CAMIF_1.2@108.561,79.792
PoC_A_CAMIF_2: C7_CAMIF_2.2 D22_CAMIF_2.1 D22_CAMIF_2.10 J2_CAMIF_2.3 L3_CAMIF_2.2 | length 42.4
  TOP w0.355: 78.544,79.8 C7_CAMIF_2.2@82.537,79.8 ; 78.665,79.8 cw(c78.665,81.97) 78.66,79.8 cw(c78.665,81.97) 76.494,81.97 L3_CAMIF_2.2@76.495,85.45 D22_CAMIF_2.1@76.495,104.733 D22_CAMIF_2.10@76.495,105.568 76.495,106.859 cw(c79.035,106.859) 77.239,108.655 J2_CAMIF_2.3@82.983,114.4